# Altium PCB EmitterPCB.PcbDoc (continued)
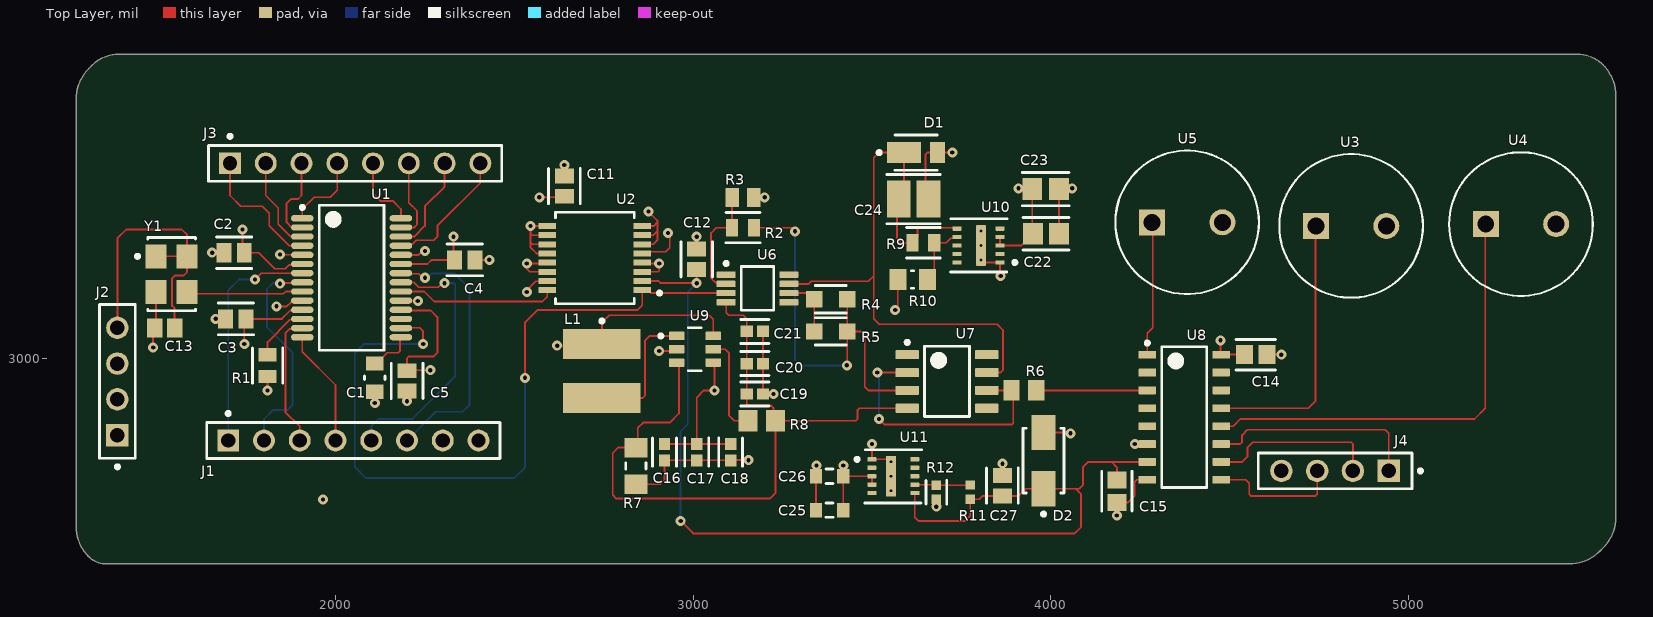
[diagram p0: Top Layer view]
## Part data (continued)
D1: library part CMP-12791-000040-1, "DIODE SBR 60V 3A POWERDI123", Forward Current=3A, Manufacturer="Diodes Inc.", Max Junction Temp=+150°C, Max Repetitive Reverse Voltage=60V, Max Surge Forward Current=80A, Package=PowerDI123, Peak Reverse Current=100uA, Temperature="-65°C to +150°C", Temperature Range Low=-65°C, Automotive=Yes, Automotive Grade="Grade 0", Category=Diode, ComponentLink2Description=Datasheet, ComponentLink2URL=https://www.diodes.com/assets/Datasheets/SBR3U60P1.pdf, Device Class L1="Discrete Semiconductors", Device Class L2=Diodes, Device Class L3="Rectifier Diodes", Digikey Description="DIODE SBR 60V 3A POWERDI123", Footprint Url=https://www.diodes.com/assets/Package-Files/PowerDI123.pdf, Height=1mm, Lead Free=Yes, Manufacturer Part Number=SBR3U60P1-7, Mouser Description="Schottky Diodes & Rectifiers SBR Diode,PDI123 Diode,PDI123,3K", Octopart=https://octopart.com/sbr3u60p1-7-diodes+inc.-21328922, Reverse Voltage=60V, RoHS=TRUE, Temperature Range High=+150°C
D2: library part CMP-1667-00003-3, "DIODE SCHOTTKY 40V 3A SMA", Average Rectified Current=3A, Capacitance=250pF, Case/Package=SMA, Forward Voltage=500mV, Max Forward Surge Current (Ifsm)=80A, Max Operating Temperature=125°C, Max Repetitive Reverse Voltage (Vrrm)=40V, Max Reverse Current=500uA, Min Operating Temperature=-55°C, Package Quantity=5000, Contact Plating=Tin, Current=3A, Current Rating=3A, Element Configuration=Single, Forward Current=3A, Height=2.3mm, Lead Free="Lead Free", Length=4.6mm, Max Reverse Voltage (DC)=40V, Mount="Surface Mount", Number of Pins=2, Output Current=3A, Packaging="Tape and Reel", Peak Non-Repetitive Surge Current=80A, Polarity=Standard, Radiation Hardening=No, REACH SVHC="No SVHC", RoHS Compliant=Yes, Series=-, Termination=SMD/SMT, Voltage=40V, Voltage Rating (DC)=40V, Weight=0.002258oz, Width=2.92mm
J1 J3: library part CMP-1770-00002-1, "Female Header, Pitch 2.54 mm, 1 x 8 Position, Height 8.5 mm, Tail Length 3.2 mm, -40 to 105 degC, RoHS, Bulk", Case\Package=TO-252-3, Input Capacitance="350 pF", Max Operating Temperature="150 degC", Max Power Dissipation="2.5 W", Min Operating Temperature="-55 degC", Package Quantity=2500, ComponentLink1Description=Datasheet, ComponentLink1URL=http://sullinscorp.com/catalogs/101_PAGE114-115_.100_FEMALE_HDR.pdf, DatasheetVersion=Jan-15, Elements=1, Height="2.39 mm", Length="6.73 mm", Mount="Surface Mount", PackageDescription="Female Header, Pitch 2.54 mm, 1 x 8 Position, Height 8.5 mm, Tail Length 3.2 mm", PackageReference=PPPC081LFBN-RC, Packaging="Tape and Reel", Pins=3, Radiation Hardening=No, Rds On Max="115 mohm", REACH SVHC="No SVHC", RoHSCompliant=true, Typical Rise Time="90 ns", Width="6.22 mm"
J2 J4: library part CMP-00575-00296407-1, "SSW-104-02-G-S Board to Board & Mezzanine Connectors Tiger Buy Socket Strip with PCB Tails, .100 Pitch", Color=Black, Contact Resistance=10mΩ, Current Rating=4.7A, Manufacturer Lifecycle Status=PRODUCTION, Max Current Rating=6.9A, Max Operating Temperature=125°C, Max Voltage Rating (AC)=550V, Min Operating Temperature=-55°C, Voltage Rating (AC)=465V, Voltage Rating (DC)=655V, Connector Type="Receptacle, Socket", Contact Material="Bronze, Gold, Nickel", Contact Plating=Gold, Depth=2.41mm, Gender=Receptacle, Height=8.64mm, Housing Color=Black, Housing Material=Polymer, Lead Free="Lead Free", Lead Pitch=2.54mm, Length=10.67mm, Lifecycle Status=Production, Mount="Through Hole", NexarPartId=296407, Number of Contacts=4, Number of Positions=4, Number of Rows=1, Orientation=Straight, Packaging=Bulk, Pitch=2.54mm, Radiation Hardening=No, REACH SVHC="No SVHC", RoHS=Compliant, Termination=Solder, Voltage Rating=550V, Width=2.41mm
L1: library part CMP-0227-00443-2, Ambient Temperature Range High=85°C, Ambient Temperature Range Low=-40°C, Current Rating=1.45A, DC Resistance (DCR)=104mΩ, Inductance=18µH, Inductance Tolerance=20%, Max Operating Temperature=125°C, Self Resonant Frequency=19MHz, Height=4.5mm, Length=5.2mm, Min Operating Temperature=-40°C, NexarPartId=22866898, Packaging=Digi-Reel®, RoHS=Compliant, Width=5.8mm
R1: library part CMP-26527-001127-1, "3.9kΩ ±5% 0.125W 0805 Thick Film Chip Resistor AEC-Q200 compliant", Case Code (Imperial)=0805, Case Code (Metric)=2012, Max Operating Temperature=155°C, Max Power Dissipation=125mW, Min Operating Temperature=-55°C, Resistance=3.9kR, Resistor Type="Thick Film", Temperature Coefficient=200ppm/°C, Tolerance=5%, Case/Package=0805, Construction=Rectangular, Contact Plating=Tin, Depth=1.25mm, Features="Automotive AEC-Q200", Height=0.026inch, Lead Free="Lead Free", Length=0.079inch, Military Standard=Not, Mount="Surface Mount", Number of Terminations=2, Packaging="Tape and Reel", Radiation Hardening=No, RoHS Compliant=Yes, Series=RMCF, Width=0.049inch
R2: library part CMP-08839-017707-1, "Thick Film Chip Resistor, 0805, 56kΩ, 5%, 200ppm/°C, 0.125W, 150V", Case Code (Imperial)=0805, Case Code (Metric)=2012, Max Power Dissipation=125mW, Package Quantity=5000, Resistance=56kR, Resistor Type="Thick Film", Temperature Coefficient=200ppm/°C, Tolerance=5%, Voltage Rating (DC)=150V, Case/Package=0805, Features="Automotive AEC-Q200", Height=0.024inch, Lead Free="Lead Free", Length=0.079inch, Number of Terminations=2, Packaging="Tape and Reel", RoHS Compliant=Yes, Series=MCR10, Width=0.049inch
R3: library part CMP-2001-04443-1, Manufacturer=Panasonic, Part Number=ERJ-6ENF1541V
R4 R5: library part CMP-2001-04374-6, "RES SMD 100 OHM 1% 1/8W 0805", Case Code (Imperial)=0805, Case Code (Metric)=2012, Max Operating Temperature=155°C, Max Power Dissipation=125mW, Min Operating Temperature=-55°C, Package Quantity=1, Resistance Tolerance=1%, Resistor Type="Thick Film", Temperature Coefficient=100ppm/°C, Voltage Rating=150V, Case/Package=0805, Construction=Rectangular, Contact Plating=Tin, Depth=1.25mm, Features="Automotive AEC-Q200", Height=0.6mm, Lead Free="Lead Free", Length=2mm, Military Standard=Not, Mount="Surface Mount", Number of Pins=2, Number of Terminations=2, Packaging="Tape and Reel", Power Rating=125mW, Radiation Hardening=No, REACH SVHC="No SVHC", Resistance=100R, RoHS Compliant=Yes, Series=ERJ, Size Code=0805, Technology="THICK FILM", Termination=SMD/SMT, Tolerance=1%, Voltage Rating (DC)=150V, Width=1.2mm
R6: library part CMP-2001-00039-1, Manufacturer=Panasonic, Part Number=ERJ-6ENF2150V
R7: library part CMP-28537-008762-1, "Automotive Metal Thin Film Chip Resistor, 0805, 71.5kΩ, 0.5%, 25ppm/°C, 0.125W, 150V", Case Code (Imperial)=0805, Case Code (Metric)=2012, Max Operating Temperature=155°C, Max Power Dissipation=125mW, Min Operating Temperature=-55°C, Package Quantity=5000, Power Rating=100mW, Resistance=71.5kR, Resistor Type="Thin Film", Temperature Coefficient=25ppm/°C, Tolerance=0.5%, Voltage Rating=100V, Voltage Rating (DC)=150V, Case/Package=0805, Features="Automotive AEC-Q200", Height=0.02inch, Lead Free="Lead Free", Length=0.079inch, Number of Terminations=2, Packaging="Tape and Reel", RoHS Compliant=Yes, Series=RG, Termination=SMD/SMT, Width=0.049inch
R8: library part CMP-2001-00265-1, Manufacturer=Panasonic, Part Number=ERJ-6ENF6493V
R9: library part CMP-07231-003764-1, "Thick Film Chip Resistors 0805 178kΩ 0.125W 1% 100ppm/°C", Case Code (Imperial)=0805, Case Code (Metric)=2012, Max Operating Temperature=155°C, Min Operating Temperature=-55°C, Package Quantity=5000, Power Rating=125mW, Resistance=178kR, Temperature Coefficient=100ppm/°C, Tolerance=1%, Voltage Rating=150V, Case/Package=0805, Composition="Thick Film", Contact Plating=Tin, Depth=1.25mm, Height=0.5mm, Length=2mm, Military Standard=Not, Mount="Surface Mount", Packaging="Tape and Reel", Radiation Hardening=No, Termination=SMD/SMT, Thickness=508um, Width=1.25mm
R10: library part CMP-2001-03724-2, "RES Thick Film, 25.5kΩ, 1%, 0.125W, 100ppm/°C, 0805", Case Code (Imperial)=0805, Case Code (Metric)=2012, Max Operating Temperature=155°C, Max Power Dissipation=125mW, Min Operating Temperature=-55°C, Package Quantity=10, Resistance=25.5kR, Temperature Coefficient=100ppm/°C, Tolerance=1%, Voltage Rating=150V, Case/Package=0805, Composition="Thick Film", Contact Plating=Tin, Depth=1.25mm, Features="Automotive AEC-Q200", Height=0.45mm, Lead Free="Lead Free", Length=2mm, Military Standard=Not, Number of Pins=2, Number of Terminations=2, Packaging="Tape and Reel", Power Rating=125mW, Radiation Hardening=No, Termination=SMD/SMT, Voltage Rating (DC)=150V, Weight=0.000194oz, Width=1.25mm
R11: library part CMP-1011-00737-2, Manufacturer="Vishay Dale", Part Number=CRCW0402102KFKED
R12: library part CMP-2002-08416-2, "RES Thick Film, 25.5kΩ, 1%, 0.063W, 100ppm/°C, 0402", Case Code (Imperial)=0402, Case Code (Metric)=1005, Max Operating Temperature=155°C, Max Power Dissipation=63mW, Min Operating Temperature=-55°C, Package Quantity=10, Resistance=25.5kR, Temperature Coefficient=100ppm/°C, Tolerance=1%, Voltage Rating=50V, Case/Package=0402, Composition="Thick Film", Contact Plating=Tin, Depth=0.5mm, Features="Automotive AEC-Q200", Height=0.35mm, Lead Free="Lead Free", Length=1mm, Military Standard=Not, Mount="Surface Mount", Number of Pins=2, Number of Terminations=2, Packaging="Tape and Reel", Power Rating=63mW, Radiation Hardening=No, Termination=SMD/SMT, Voltage Rating (DC)=50V, Weight=2.3E-05oz, Width=0.5mm
U1: library part CMP-0293-00047-1, "CMOS, 125 MHz Complete DDS Synthesizer, 10-Bit, Parallel, Serial, RS-28, 47 Tube", Code_JEDEC=MO-150-AH, Compliance Range (V)=1.5V, ComponentLink1Description="Manufacturer URL", ComponentLink1URL=www.analog.com, ComponentLink2Description=Datasheet, ComponentLink2URL=http://www.analog.com/static/imported-files/data_sheets/AD9850.pdf, ComponentLink3Description="Package Specification", ComponentLink3URL=http://www.analog.com/static/imported-files/packages/32122249223724RS_28.pdf, DatasheetVersion="Rev. H", FS Iout (mA nom)=20mA, I Supply total (max)=96mA, I/O Interface="Parallel, Serial", Master fclk=125MHz, PackageDescription="28-Lead Shrink Small Outline Package [SSOP]", PackageReference=RS-28, PackageVersion="revA, 1997", REFCLK Multiplier=No, Resolution (Bits)=10bit, Tuning Word Width (bits)=32bit
U2: library part CMP-0359-00063-3, "IC FILTR 150KHZ ANTIALIAS 16SSOP", Case/Package=SSOP, Input Offset Voltage (Vos)=3mV, Max Dual Supply Voltage=5.25V, Max Operating Temperature=70°C, Max Supply Voltage=10.5V, Min Dual Supply Voltage=1.35V, Min Operating Temperature=0°C, Min Supply Voltage=2.7V, Package Quantity=77, Filter Type="LOW PASS FILTER", Lead Free="Lead Free", Nominal Gain Bandwidth Product=150kHz, Number of Channels=1, Number of Circuits=1, Number of Pins=16, Packaging=Rail/Tube, Radiation Hardening=No, REACH SVHC="No SVHC", RoHS Compliant=Yes, Series=-, Type=Active
U3 U4 U5: library part CMP-06153-000002-1, "ULTRASONIC SENSOR TRANS 40KHZ", Capacitance=2.55nF, Frequency=40kHz, Max Operating Temperature=85°C, Min Operating Temperature=-40°C, Operating Supply Voltage=20V, Package Quantity=100, Diameter=10mm, Height=7.1mm, Lead Free="Lead Free", Length=7.1mm, Mount=PCB, Number of Pins=2, Outside Diameter=9.9mm, Radiation Hardening=No, REACH SVHC="No SVHC", Self Resonant Frequency=40kHz, Switching Frequency=40kHz, Termination=PCB, Voltage Rating=20V, Voltage Rating (DC)=20V
U6: library part CMP-0808-00041-2, "Sound-Plus High-Performance, JFET-Input Audio Operational Amplifier, 4.5 to 36 V, -40 to 85 degC, 8-pin SOP (DGK8), Green (RoHS & no Sb/Br)", Manufacturer="Texas Instruments", Code_JEDEC=MO-187, ComponentLink1Description="Manufacturer URL", ComponentLink1URL=http://www.ti.com/, ComponentLink2Description=Datasheet, ComponentLink2URL=http://www.ti.com/general/docs/lit/getliterature.tsp?genericPartNumber=OPA1641&fileType=pdf, ComponentLink3Description="Package Specification", ComponentLink3URL=http://www.ti.com/litv/pdf/mpds028d, DatasheetVersion=SBOS484B, Eco-Plan="Green (RoHS & no Sb/Br)", GBW(Typ)(MHz)=11, Iq per channel(Max)(mA)=2.3, Mounting Technology="Surface Mount", Number of Channels=1, PackageDescription="8-Pin Thin Small Outline, Body 3 x 3 mm, Pitch 0.65 mm", PackageReference=DGK0008A, PackageVersion="4073329/E, 05/2006", PartNumber=OPA1641AIDGKT, SubFamily="Audio Operational Amplifier"
U7: library part CMP-0017-00391-2, "Low-Noise JFET-Input General-Purpose Operational Amplifier, 7 to 36 V, 0 to 70 degC, 8-pin SOIC (D8), Green (RoHS & no Sb/Br)", Manufacturer="Texas Instruments", Rating=Military, Total Supply Voltage(Max)(+5V is 5, +/-5V is 10)=36, Total Supply Voltage(Min)(+5V is 5, +/-5V is 10)=7, CMRR(Min)(dB)=70, Code_JEDEC=MS-012, ComponentLink1Description="Manufacturer URL", ComponentLink1URL=http://www.ti.com/, ComponentLink2Description=Datasheet, ComponentLink2URL=http://www.ti.com/lit/ds/symlink/tl071.pdf, ComponentLink3Description="Package Specification", ComponentLink3URL=http://www.ti.com/litv/pdf/msoi002j, DatasheetVersion=SLOS080J, Eco-Plan="Green (RoHS & no Sb/Br)", GBW(Typ)(MHz)=3, IIB(Max)(pA)=200, Iq per channel(Max)(mA)=2.5, Mounting Technology="Surface Mount", Number of Channels=1, Offset Drift(Typ)(uV/C)=18, PackageDescription="8-Pin Plastic Small Outline, Body 4.9 x 3.9 mm, Pitch 1.27 mm", PackageReference=D0008A, PackageVersion="4040047-3/M, 06/2011", PartNumber=TL071CDR, Slew Rate(Typ)(V/us)=13, Sub Family="General Purpose Amplifier, High Supply Voltage Amplifier (>=30V)", Vio (25C)(Max)(mV)=10, Vn at 1kHz(Typ)(nV/rtHz)=18
U8: library part CMP-1575-00021-4, "Enhanced Product High Speed Cmos Logic Analog Multiplexers/Demultiplexers, D0016A, LARGE T&R", Generic Part Number=CD74HC4051-EP, Manufacturer="Texas Instruments", Operating Temperature Range(C)="-55 to 125", Rating="HiRel Enhanced Product", Bandwidth(Max)(MHz)=180, Code_JEDEC="MS-012 variation AC", Configuration="1 X 1：8 MUX", Crosstalk=Yes, DatasheetVersion=SCLS464A, PackageReference=D0016A, PackageVersion=http://www.ti.com/lit/ml/mpds178g/mpds178g.pdf, Ron(Max)(Ohms)=130, Ron(Typ)(Ohms)=45, VCC(Max)(V)=6, VCC(Min)(V)=2
U9: library part CMP-04918-000051-1, "IC REG BOOST ADJ SOT23-6", Manufacturer="Texas Instruments", Max Junction Temp=+125°C, Max Supply Voltage=5.5V, Min Supply Voltage=1.8V, Nominal Supply Current=110uA, Output Current=980mA, Output Voltage=3.3-28V, Package=DBV0006A, Switching Frequency=1050kHz, Temperature="-40°C to +125°C", Temperature Range Low=-40°C, Automotive=No, Category=IC, ComponentLink2Description=Datasheet, ComponentLink2URL=http://www.ti.com/lit/ds/symlink/tlv61046a.pdf, Device Class L1="Integrated Circuits (ICs)", Device Class L2="Power Management ICs", Device Class L3="Voltage Regulators - Switching", Digikey Description="IC REG BOOST ADJ SOT23-6", Height=1.45mm, Ipc Land Pattern Name=SOT95P280X145-6, Lead Free=Yes, Manufacturer Part Number=TLV61046ADBVR, Mouser Description="28-V Output Voltage Boost Converter with Power Diode and Isolation Switch 6-SOT-23 -40 to 125", Number Of Outputs=1, Octopart=https://octopart.com/tlv61046adbvr-texas+instruments-81856326, Output Type=AdjustableProgrammable, RoHS=TRUE, Standoff Height=0mm, Switching Topology=Boost, Temperature Range High=+125°C
U10 U11: library part CMP-04918-000359-1, "DC DC CONVERTER 1.2-15V", Max Input Voltage=36V, Max Operating Temperature=125°C, Max Output Current=1A, Min Input Voltage=4V, Min Operating Temperature=-40°C, Voltage - Output 1=15V, Features=UVLO, Mount="Surface Mount", Number Of Outputs=1, RoHS Compliant=Yes
Y1: library part CMP-27762-003537-1, "XTAL Oscillator 125MHz ±50ppm HCMOS, TTL 3.3V 4-SMD 5mm x 3.2mm", Case/Package=SMD/SMT, Frequency=125MHz, Frequency Stability=50ppm, Load Capacitance=15pF, Max Operating Temperature=70°C, Max Supply Current=85mA, Min Operating Temperature=-20°C, Operating Supply Voltage=3.3V, Depth=3.2mm, Height=0.051inch, Lead Free="Lead Free", Length=0.197inch, Mount="Surface Mount", Number of Pins=4, Packaging="Tape and Reel", Radiation Hardening=No, Series=ASFL1, Width=0.126inch

## Via types
v1: diameter 28, hole 12, Top Layer to Bottom Layer, 58 vias
v2: diameter 19.68, hole 7.87, Top Layer to Bottom Layer, 6 vias

## Nets (pads, with @x,y where several pads share a name; then routed paths per layer and width w, separated by ;. In a path a pad name is that pad's centre, name@x,y a point inside that pad or via, vN(x,y) a via of type N, cw(c..) or ccw(c..) an arc to the next point about the centre after c; other vN are vias at no path point)
+3.3: C13.2 J2.4 Y1.1 Y1.4 | length 843
  Top Layer w5: J2.4 1390,3335 1415,3360 1570,3360 1585,3345 Y1.4 ; Y1.1 Y1.4 ; C13.2 1550,3139.33 1542.97,3146.36 1542.97,3223.64 1550.29,3230.96 1575,3230.96 1585,3240.96 Y1.4
+5: C2.1 C3.1 C4.1 C5.1 C11.2 C14.1 C16.1 C17.1 C18.1 C22.1 C23.1 C25.1 C26.1 J2.1 J2.3 L1.1 U1.6 U1.11 U1.18 U1.23 U2.5 U2.13 U2.14 U8.16 U9.4 U9.6 U10.3 U10.4 U11.3 U11.4 | length 3107.8
  Top Layer w5: v1(1740,3360) 1740,3300 C2.1 1785,3295 1830,3250 1860,3250 1870.95,3260.95 1904.77,3260.95 U1.6 ; v1(1745,3040) 1745,3105 C3.1 1850,3110 1873.43,3133.43 1905.2,3133.43 U1.11 ; U1.18 2184.73,3133.5 2266.5,3133.5 2285,3115 2285,3015 2275,3005 2205,3005 2200,3000 C5.1 2201.43,2966.43 v1(2265,2966.43) ; U1.23 2257.14,3263.39 2268.76,3275 C4.1 2330,3277.85 v1(2330,3340) ; v1(2570,3450) 2637.15,3450 C11.2 ; U2.14 2543.39,3241.61 2535,3250 v1(2535,3265) 2589.92,3265 U2.13 ; v1(2620,3035) 2740,3035 L1.1 2745,3100 2765,3120 3045,3120 3056.18,3108.82 U9.6 ; U2.5 2862.7,3297.62 2923.44,3297.62 2934.4,3308.58 2934.4,3345.6 v1(2930,3350) ; C16.1 C17.1 ; U9.4 3060,2983.78 v1(3060,2910) 3030,2910 3010,2890 C17.1 ; C18.1 C17.1 ; C25.1 C26.1 ; v1(3420,2700) C26.1 ; U11.4 U11.3 C26.1 ; U10.4 U10.3 3917.46,3315 3923.03,3320.57 3925.05,3320.57 3950.22,3345.74 C22.1 3948.15,3349.82 C23.1 3913.6,3472.76 3911.35,3475 v1(3910,3475) ; v1(4475,3050) 4475,3011.69 U8.16 C14.1 C14.1@4561.84,3010
+8: C19.1 C20.1 C21.1 R7.2 R8.1 U6.4 U7.4 U9.3 | length 2036.5
  Top Layer w5: U9.3 2960.54,2980.87 2960.54,2845.54 2935,2820 2860,2820 2845,2805 2845,2755 R7.2 2790,2750 2775,2735 2775,2617.93 2785.35,2607.58 3214.65,2607.58 3230,2622.93 R8.1 ; U6.4 3092.4,3127.6 3100,3120 3140,3120 3150,3110 C21.1 C20.1 C19.1 3150,2873.01 3155,2868.01 3216.99,2868.01 3225,2860 3225,2830 R8.1 ; U7.4 3465,2860 3460,2855 3460,2830 3455,2825 R8.1
-5: C12.1 C15.1 C27.1 D2.1 R11.2 U2.2 U8.7 U11.6 | length 3033.8
  Top Layer w5: U2.2 2903.98,3216.02 2910,3210 v1(3010,3210) C12.1 ; v1(2965,2545) 3000,2510 4067.07,2510 4085,2527.93 4085,2620 4070,2635 ; U11.6 3620,2622.72 3620,2555 3630,2545 3760,2545 3775,2560 R11.2 3800.63,2605.63 3810,2615 C27.1 3910,2615 3930,2635 D2.1 4070,2635 ; C15.1 4185,2695 4170,2710 ; U8.7 4170,2710 ; 4070,2635 4080,2635 4090,2645 4090,2695 4105,2710 4170,2710
  Bottom Layer w5: v1(2965,2545) 2965,2795 2985,2815 2985,3185 v1(3010,3210)
-8: C24.1 D1.1 R9.2 U6.7 U7.7 U10.6 | length 1776.7
  Top Layer w5: U6.7 3322.8,3207.8 3330,3215 3490,3215 3505,3230 ; U10.6 3735.31,3365 3630.47,3365 3627.54,3362.07 3627.54,3337.15 R9.2 3582.24,3322.76 3570,3335 3570,3440 C24.1 3590,3460 D1.1 3520,3575 3505,3560 3505,3230 ; U7.7 3860,2960 3866.2,2966.2 3866.2,3078.8 3850,3095 3520,3095 3505,3110 3505,3230
Amp_Out: R2.2 R4.2 R5.2 U7.3 | length 1136.7
  Top Layer w5: R2.2 3275,3365 v1(3285,3355) ; v1(3430,2980) 3431.26,2981.26 R5.2 ; R4.2 R5.2 ; U7.3 3490,2910 3480,2920 3480,3065 3470,3075 R5.2
  Bottom Layer w5: v1(3285,3355) 3285,2995 3300,2980 v1(3430,2980)
CLKIN: U1.9 Y1.3 | length 327
  Top Layer w5: Y1.3 1590,3180 1853.98,3180 1860.59,3186.61 U1.9
D0: J3.1 U1.4 | length 370.9
  Top Layer w5: J3.1 1705,3455 1735,3425 1795,3425 1815,3405 1815,3370 1870.43,3314.57 U1.4
D1: J3.2 U1.3 | length 266.3
  Top Layer w5: J3.2 1805,3455 1840,3420 1840,3375 1875,3340 1907.05,3340 U1.3
D2: J3.3 U1.2 | length 244.7
  Top Layer w5: J3.3 1905,3455 1895,3445 1875,3445 1863.21,3433.21 1863.21,3379.72 1877.93,3365 1906.46,3365 U1.2
D3: J3.4 U1.1 | length 220.5
  Top Layer w5: U1.1 1907.2,3417.2 1940,3450 1985,3450 2005,3470 J3.4
D4: J3.5 U1.28 | length 206.4
  Top Layer w5: J3.5 2105,3460 2125,3440 2160,3440 2182.8,3417.2 U1.28
D5: J3.6 U1.27 | length 229.7
  Top Layer w5: U1.27 2220.75,3365.75 2227.93,3372.93 2227.93,3412.07 2205,3435 J3.6
D6: J3.7 U1.26 | length 277.3
  Top Layer w5: U1.26 2220.16,3340.16 2250,3370 2250,3425 2305,3480 J3.7
D7: J3.8 U1.25 | length 367.4
  Top Layer w5: U1.25 2208.87,3314.57 2213.11,3318.8 2214.28,3318.8 2225.48,3330 2275,3330 2285,3340 2285,3370 2405,3490 J3.8
E1: U3.1 U8.13 | length 762.2
  Top Layer w5: U8.13 4720,2860 4740,2880 4740,3368.43 U3.1
E2: U4.1 U8.12 | length 1274.7
  Top Layer w5: U8.12 4510,2810 4530,2830 5185,2830 5215,2860 5215,3373.43 U4.1
E3: U5.1 U8.1 | length 377
  Top Layer w5: U8.1 4270,3070 4285,3085 4285,3378.15 U5.1
Final_Signal: R6.2 U8.3 | length 310.6
  Top Layer w5: R6.2 U8.3
FQUD: J1.2 U1.8 | length 617.4
  Top Layer w5: v1(1845,3208.5) 1846.85,3210.35 1905.35,3210.35 U1.8
  Bottom Layer w5: J1.2 1800,2830 1825,2855 1865,2855 1880,2870 1880,3015 1808.5,3086.5 1808.5,3193.5 1825,3210 1843.5,3210 v1(1845,3208.5)
GND: C1.1 C2.2 C3.2 C4.2 C5.2 C11.1 C12.2 C13.1 C14.2 C15.2 C16.2 C17.2 C18.2 C19.2 C20.2 C21.2 C22.2 C23.2 C24.2 C25.2 C26.2 C27.2 D1.2 D2.2 J1.8 R1.2 R3.1 R7.1 R10.1 R12.1 U1.5 U1.10 U1.19 U1.24 U2.3 U2.4 U2.6 U2.7 U2.8 U2.9 U2.10 U2.11 U2.12 U2.15 U3.2 U4.2 U5.2 U8.6 U8.8 U9.2 U10.1 U10.11 U11.1 U11.11 Y1.2 | length 3354.8
  Top Layer w5: v1(1490,3030) 1490,3080.12 C13.1 1498.39,3088.5 Y1.2 ; v1(1655,3295) C2.2 ; v1(1665,3110) C3.2 ; v1(1810,2910) R1.2 ; v1(1835,3145) 1863.93,3145 1875.72,3156.79 1876.89,3156.79 1881.13,3161.02 U1.10 ; v1(1845,3290) 1845.51,3289.49 1906.69,3289.49 U1.5 ; v1(2110,2875) C1.1 ; U1.19 2183.31,3160.51 2229.49,3160.51 v1(2230,3160) ; U1.24 2232.75,3288.98 2243.78,3300 v1(2250,3300) ; v1(2200,2880) C5.2 ; C4.2 v1(2430,3275) ; v1(2534.82,3185.18) 2534.82,3189.82 2560,3215 2591.1,3215 U2.15 ; U2.12 2562.2,3292.8 2545,3310 2545,3325 ; U2.11 2551.61,3318.39 2545,3325 ; U2.10 2550.8,3343.98 2545,3349.77 ; U2.9 2591.69,3370 v1(2545,3370) 2545,3349.77 ; C11.1 v1(2640,3540) ; R7.1 2907.64,2647.64 2920,2660 C16.2 C17.2 C18.2 3105.45,2715 v1(3155,2715) ; U2.3 2901.61,3241.61 2905,3245 v1(2905,3265) 2860.08,3265 U2.4 ; U2.6 2888.39,3318.39 2900,3330 2900,3355 ; U2.7 2888.98,3343.98 2900,3355 ; U2.8 2889.57,3369.57 2900,3380 ; v1(2875,3410) 2900,3385 2900,3380 ; v1(2905,3020) 2948.82,3020 U9.2 ; C12.2 v1(3010,3340) ; R3.1 v1(3200,3450) ; C21.2 C20.2 C19.2 v1(3225,2900) ; C25.2 C26.2 3345,2671.77 v1(3345,2700) ; v1(3500,2760) 3500,2717.28 U11.1 3546.42,2717.24 v2(3553.11,2710.55) v2(3553.11,2670) v2(3553.11,2629.45) ; v1(3565,3135) 3565,3136.35 3572.26,3143.61 R10.1 ; C24.2 3650,3452.73 3650,3570 3655,3575 v1(3725,3575) ; v1(3680,2585) R12.1 ; v2(3805,3355.55) v2(3805,3315) v2(3805,3274.45) 3811.69,3267.76 U10.1 3858.15,3233.2 3860,3231.35 v1(3860,3230) ; C27.2 v1(3865,2705) ; D2.2@3967.52,2780 D2.2 4051.17,2792.48 4053.65,2790 v1(4055,2790) ; C22.2 C23.2 4025.37,3475 v1(4060,3475) ; v1(4185,2560) C15.2 4216.84,2596.84 4235,2615 4235,2655 4240,2660 U8.8 ; v1(4235,2760) U8.6 ; C14.2 v1(4645,3010) ; 2545,3325 2545,3349.77 ; 2900,3355 2900,3380
  Bottom Layer w5: v1(2534.82,3185.18) v1@2534.91,3185.09
  other v1: 1965,2605
IOUT: J1.5 U1.21 | length 752.7
  Top Layer w5: U1.21 2218.88,3212.2 2232.58,3198.5 2287.28,3198.5 2298.78,3210 v1(2305,3210)
  Bottom Layer w5: J1.5 2100,2810 2120,2830 2215,2830 2335,2950 2335,3205 2330,3210 v1(2305,3210)
NetC1_2: C1.2 U1.15 | length 124.3
  Top Layer w5: C1.2 2114.92,2985 2144.92,3015 2175,3015 2180,3020 2180,3055.87 U1.15
NetL1_2: L1.2 U9.1 | length 371.2
  Top Layer w5: L1.2 2858.43,2888.43 2865.77,2895.77 2865.77,3050 2878.17,3062.4 U9.1
NetR2_1: R2.1 R3.2 U6.2 | length 325.3
  Top Layer w5: U6.2 3088.17,3212.03 3061.79,3212.03 3050,3223.82 3050,3350 3065,3365 R2.1 3108.98,3365.16 R3.2
NetR3.9K_1: R1.1 U1.12 | length 159.1
  Top Layer w5: R1.1 1810,3045 1872.41,3107.41 1904.77,3107.41 U1.12
NetR4_1: R4.1 R5.1 U6.6 | length 168.3
  Top Layer w5: U6.6 3321.54,3182.2 R4.1 R5.1
NetR6_1: R6.1 U7.2 U7.6 | length 761.5
  Top Layer w5: v1(3515,2960) U7.2 ; v1(3520,2830) 3535,2815 3892.07,2815 3895,2817.93 3895,2905.55 R6.1 U7.6
  Bottom Layer w5: v1(3515,2960) 3515,2958.65 3520,2953.65 v1(3520,2830)
NetR8_2: R8.2 U9.5 | length 282.4
  Top Layer w5: U9.5 3090,3025 3100,3015 3100,2840 3115,2825 R8.2
NetR9_1: R9.1 R10.2 U10.7 | length 181.1
  Top Layer w5: R10.2 3674.33,3239.33 R9.1 3707.76,3322.76 3720.22,3335.22 3734.67,3335.22 U10.7
NetR11_1: R11.1 R12.2 U11.7 | length 155.5
  Top Layer w5: U11.7 3678.62,2646.38 R12.2 R11.1
QOUT: J1.4 U1.14 | length 327.1
  Top Layer w5: U1.14 1907.2,3017.8 2000,2925 J1.4
QOUTB: J1.3 U1.13 | length 369.7
  Top Layer w5: J1.3 1900,2809.44 1860,2849.44 1860,3070 1871.82,3081.82 1904.77,3081.82 U1.13
RESET: J1.6 U1.22 | length 760.9
  Top Layer w5: U1.22 2184.19,3236.4 2232.38,3236.4 2243.78,3225 v1(2250,3225)
  Bottom Layer w5: J1.6 2280,2850 2355,2850 2375,2870 2375,3195 2333.5,3236.5 2267.72,3236.5 2256.22,3225 v1(2250,3225)
S0: J4.1 U8.11 | length 605.7
  Top Layer w5: U8.11 4530,2760 4535,2765 4535,2785 4550,2800 4935,2800 4945,2790 J4.1
S1: J4.2 U8.10 | length 482.8
  Top Layer w5: U8.10 4535,2710 4550,2725 4550,2750 4565,2765 4840,2765 4845,2760 J4.2
S2: J4.3 U8.9 | length 371.6
  Top Layer w5: U8.9 4545,2660 4555,2650 4555,2620 4560,2615 4740,2615 4745,2620 J4.3
WAVE_IN: U1.20 U2.16 | length 444.9
  Top Layer w5: U1.20 2248.39,3186.61 2276.5,3158.5 2578.5,3158.5 2592.13,3172.13 U2.16
WAVE_OUT: U1.16 U2.1 U6.3 | length 2155.9
  Top Layer w5: U1.16 2183.54,3085 2235,3085 2245,3075 v1(2245,3040) ; v1(2530,2945) 2530,3100 2565,3135 2845,3135 2857.87,3147.87 U2.1 2874.21,3190.43 2882.44,3182.2 U6.3
  Bottom Layer w5: v1(2245,3040) 2080,3040 2053.99,3013.99 2053.99,2696.01 2085,2665 2500,2665 2530,2695 v1(2530,2945)
WCLK: J1.1 U1.7 | length 647
  Top Layer w5: v1(1775,3220) 1792.8,3237.8 U1.7
  Bottom Layer w5: J1.1 1700,3190 1730,3220 v1(1775,3220)
pads on no net: J1.7 J2.2 J4.4 U1.17 U6.1 U6.5 U6.8 U7.1 U7.5 U7.8 U8.2 U8.4 U8.5 U8.14 U8.15 U10.2 U10.5 U10.8 U10.9 U10.10 U11.2 U11.5 U11.8 U11.9 U11.10

## Polygon pours and split planes (outlines as drawn)
GND on Int1 (GND) (split plane): 1392.43,3829.9 5473.08,3829.9 5473.72,3829.97 5481.04,3829.61 5488.92,3828.44 5496.65,3826.5 5504.15,3823.82 5511.36,3820.41 5518.19,3816.31 5524.6,3811.56 5530.03,3806.64 5530.43,3806.14 5530.94,3805.73 5536.44,3799.73 5541.78,3792.76 5546.5,3785.35 5550.56,3777.56 5553.92,3769.44 5556.56,3761.06 5558.47,3752.49 5559.61,3743.78 5559.97,3735.65 5559.9,3735 5559.9,2555 5559.97,2554.35 5559.61,2546.22 5558.47,2537.51 5556.56,2528.94 5553.92,2520.56 5550.56,2512.44 5546.5,2504.65 5541.78,2497.24 5536.44,2490.27 5530.94,2484.27 5530.43,2483.86 5521.14,2474.57 5520.73,2474.06 5514.73,2468.56 5507.76,2463.22 5500.35,2458.5 5492.56,2454.44 5484.44,2451.08 5476.06,2448.44 5467.49,2446.53 5458.78,2445.39 5450.65,2445.03 5450,2445.1 1358.28,2445.1 1357.81,2445.05 1352.88,2445.33 1347.55,2446.23 1342.35,2447.73 1337.35,2449.8 1332.61,2452.42 1328.19,2455.55 1324.51,2458.85 1324.21,2459.21 1323.71,2459.62 1318.28,2465.55 1313,2472.43 1308.33,2479.75 1304.33,2487.45 1301.01,2495.47 1298.4,2503.75 1296.52,2512.22 1295.38,2520.83 1295.03,2528.85 1295.1,2529.5 1295.1,3725 1295.03,3725.65 1295.39,3733.78 1296.53,3742.49 1298.44,3751.06 1301.08,3759.44 1304.44,3767.56 1308.5,3775.35 1313.22,3782.76 1318.56,3789.73 1324.06,3795.73 1324.57,3796.14 1334.21,3805.79 1334.63,3806.3 1340.14,3811.29 1346.63,3816.11 1353.57,3820.27 1360.88,3823.72 1368.5,3826.45 1376.35,3828.42 1384.35,3829.6 1391.78,3829.97
+5 on Int2 (PWR) (split plane): 1392.43,3829.9 5473.08,3829.9 5473.72,3829.97 5481.04,3829.61 5488.92,3828.44 5496.65,3826.5 5504.15,3823.82 5511.36,3820.41 5518.19,3816.31 5524.6,3811.56 5530.03,3806.64 5530.43,3806.14 5530.94,3805.73 5536.44,3799.73 5541.78,3792.76 5546.5,3785.35 5550.56,3777.56 5553.92,3769.44 5556.56,3761.06 5558.47,3752.49 5559.61,3743.78 5559.97,3735.65 5559.9,3735 5559.9,2555 5559.97,2554.35 5559.61,2546.22 5558.47,2537.51 5556.56,2528.94 5553.92,2520.56 5550.56,2512.44 5546.5,2504.65 5541.78,2497.24 5536.44,2490.27 5530.94,2484.27 5530.43,2483.86 5521.14,2474.57 5520.73,2474.06 5514.73,2468.56 5507.76,2463.22 5500.35,2458.5 5492.56,2454.44 5484.44,2451.08 5476.06,2448.44 5467.49,2446.53 5458.78,2445.39 5450.65,2445.03 5450,2445.1 1358.28,2445.1 1357.81,2445.05 1352.88,2445.33 1347.55,2446.23 1342.35,2447.73 1337.35,2449.8 1332.61,2452.42 1328.19,2455.55 1324.51,2458.85 1324.21,2459.21 1323.71,2459.62 1318.28,2465.55 1313,2472.43 1308.33,2479.75 1304.33,2487.45 1301.01,2495.47 1298.4,2503.75 1296.52,2512.22 1295.38,2520.83 1295.03,2528.85 1295.1,2529.5 1295.1,3725 1295.03,3725.65 1295.39,3733.78 1296.53,3742.49 1298.44,3751.06 1301.08,3759.44 1304.44,3767.56 1308.5,3775.35 1313.22,3782.76 1318.56,3789.73 1324.06,3795.73 1324.57,3796.14 1334.21,3805.79 1334.63,3806.3 1340.14,3811.29 1346.63,3816.11 1353.57,3820.27 1360.88,3823.72 1368.5,3826.45 1376.35,3828.42 1384.35,3829.6 1391.78,3829.97

## Silkscreen, mask and mechanical layers (free items; w line width, h text height)
Mechanical 1:
  lines w10: 1275,2529.5 ccw(c1394.5,2529.5) 1310,2445 ccw(c1358.28,2493.28) 1358.28,2425 5450,2425 ccw(c5450,2545.71) 5535.36,2460.36 5544.64,2469.64 ccw(c5459.29,2555) 5580,2555 5580,3735 ccw(c5459.29,3735) 5544.64,3820.36 ccw(c5473.08,3748.79) 5473.08,3850 1392.43,3850 ccw(c1392.43,3747.57) 1320,3820 1310.36,3810.36 ccw(c1395.71,3725) 1275,3725 1275,3090 1275,2529.5